# KiCad board Mioke80.kicad_pcb
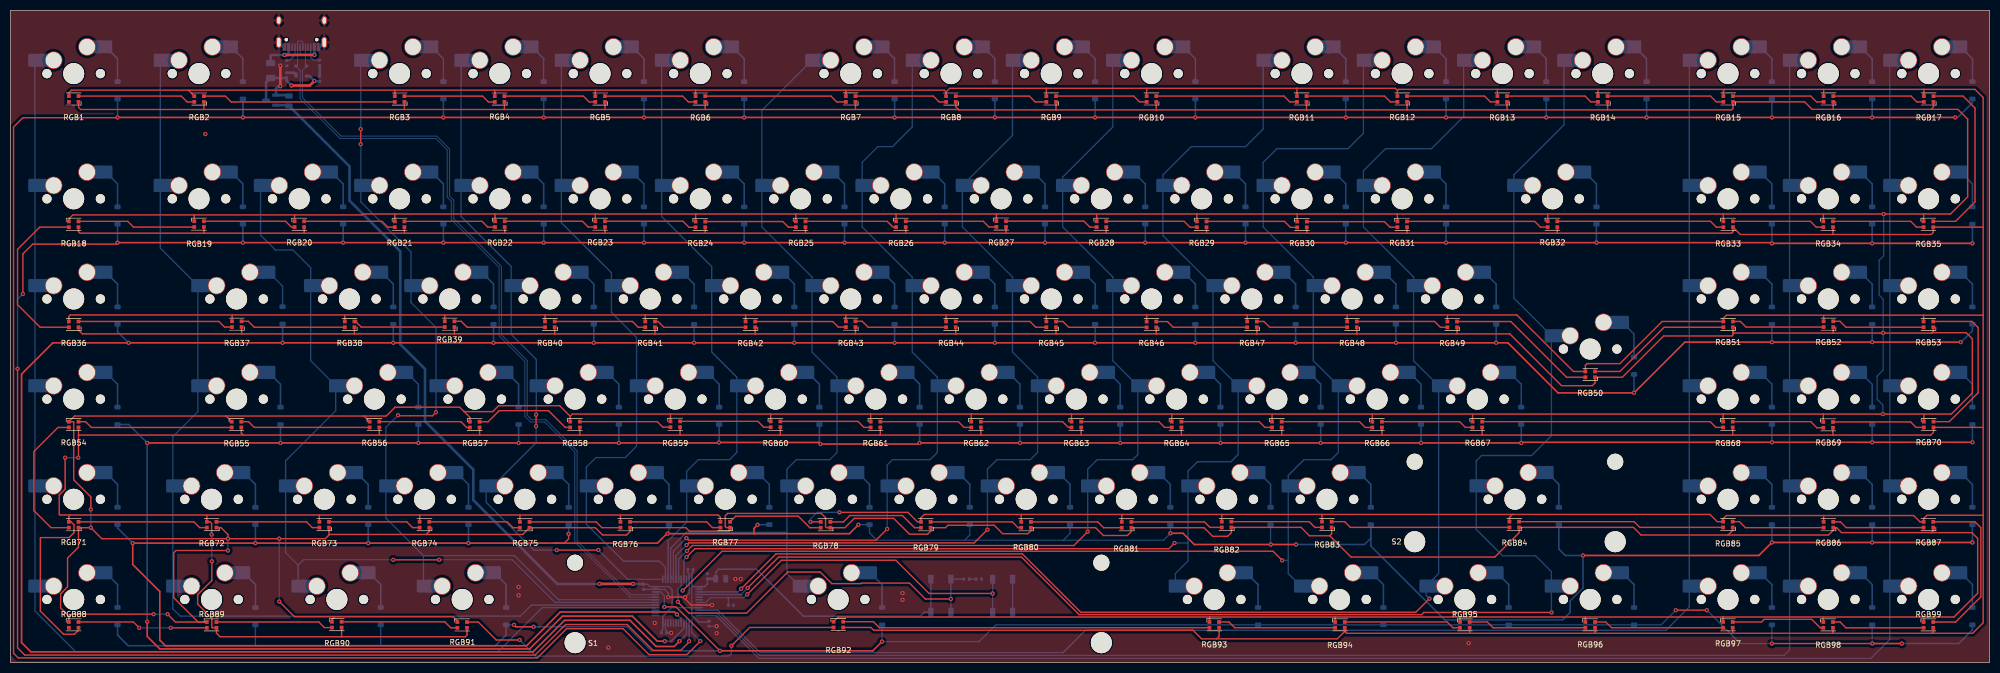
[diagram p0: board, top side]
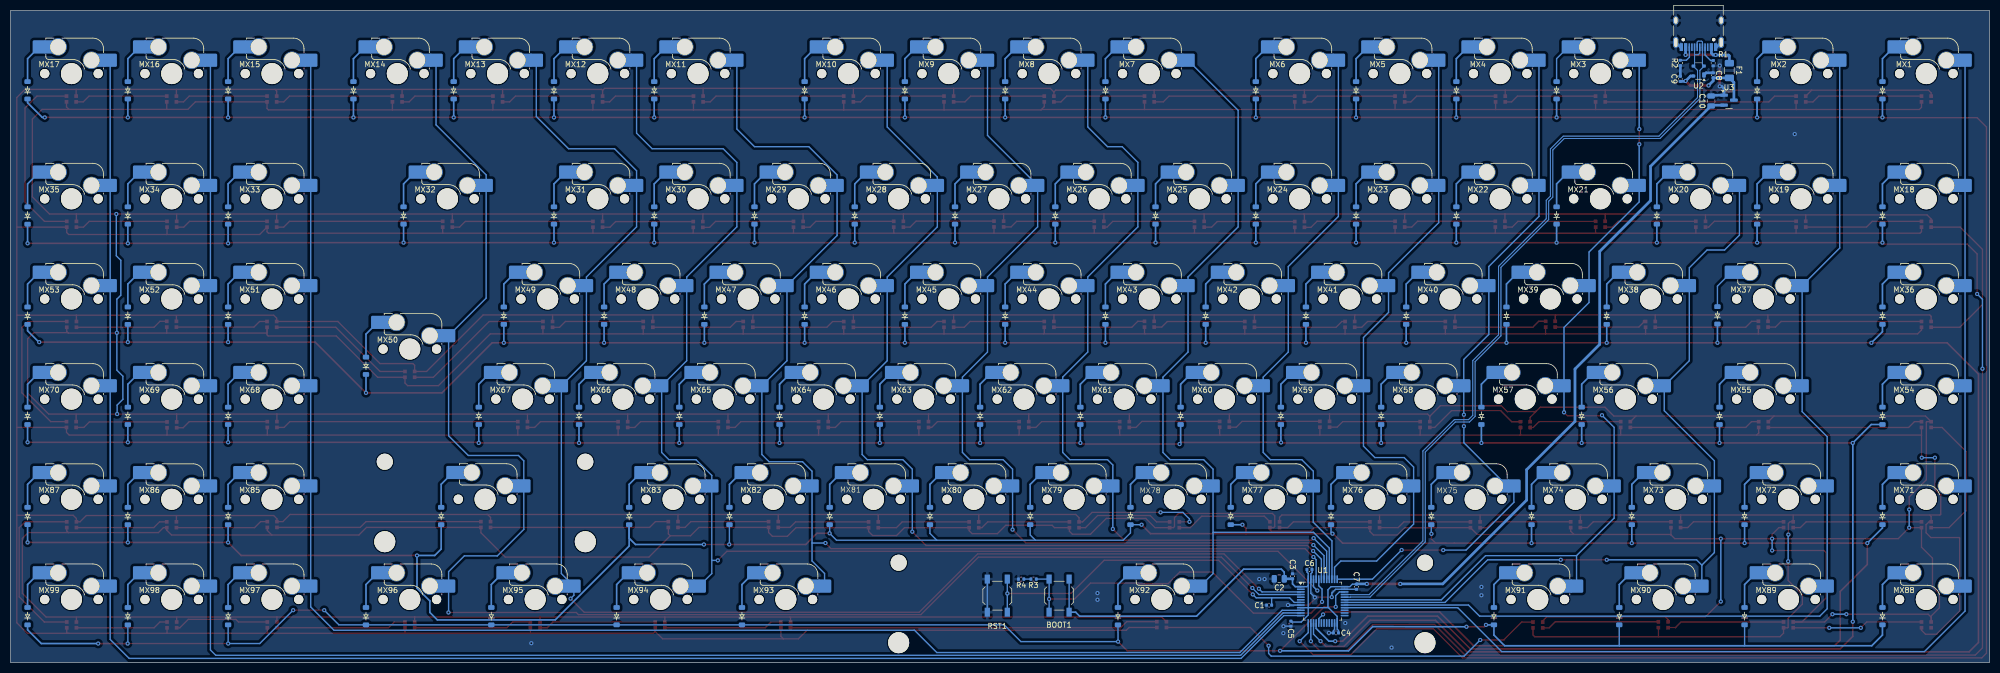
[diagram p1: board, bottom side, seen from below]

Outline 376 x 124 mm; copper layers: Top, Bottom. Coordinates in mm from the lower left corner of the outline.
Outline path: 0,124 0,0 376,0 376,124 0,124
Stack: Top 0.035mm / dielectric 1.11mm FR4 er 4.5 / Bottom 0.035mm

## Placement (name value [footprint] x y rotation side)
BOOT1  SW_SPST  [SW_SPST_TL3342]  176.77 12.71 270 bottom
C1  100nF  [C_0402_1005Metric]  136.87 10.91 0 bottom
C2  47uF  [C_0805_2012Metric]  134.94 15.91 0 bottom
C3  100nF  [C_0402_1005Metric]  132.42 16.39 90 bottom
C4  100nF  [C_0402_1005Metric]  124.17 5.62 0 bottom
C5  100nF  [C_0402_1005Metric]  132.73 7.38 270 bottom
C6  100nF  [C_0402_1005Metric]  129.2 17.69 180 bottom
C7  100nF  [C_0402_1005Metric]  120.28 14.41 270 bottom
C8  100nF  [C_0402_1005Metric]  52.49 111.67 90 bottom
C9  1uF  [C_0402_1005Metric]  58.74 111.01 90 bottom
C10  10uF  [C_0805_2012Metric]  52.89 106.79 90 bottom
D1  4148  [Diode_SOD-123]  20.33 108.83 90 bottom
D2  4148  [Diode_SOD-123]  44.15 108.83 90 bottom
D3  4148  [Diode_SOD-123]  82.25 108.83 90 bottom
D4  4148  [Diode_SOD-123]  101.3 108.83 90 bottom
D5  4148  [Diode_SOD-123]  120.35 108.83 90 bottom
D6  4148  [Diode_SOD-123]  139.4 108.83 90 bottom
D7  4148  [Diode_SOD-123]  167.97 108.83 90 bottom
D8  4148  [Diode_SOD-123]  187.02 108.83 90 bottom
D9  4148  [Diode_SOD-123]  206.07 108.83 90 bottom
D10  4148  [Diode_SOD-123]  225.12 108.83 90 bottom
D11  4148  [Diode_SOD-123]  253.7 108.83 90 bottom
D12  4148  [Diode_SOD-123]  272.75 108.83 90 bottom
D13  4148  [Diode_SOD-123]  291.8 108.83 90 bottom
D14  4148  [Diode_SOD-123]  310.85 108.83 90 bottom
D15  4148  [Diode_SOD-123]  334.66 108.83 90 bottom
D16  4148  [Diode_SOD-123]  353.71 108.83 90 bottom
D17  4148  [Diode_SOD-123]  372.76 108.83 90 bottom
D18  4148  [Diode_SOD-123]  20.33 85.01 90 bottom
D19  4148  [Diode_SOD-123]  44.15 85.01 90 bottom
D20  4148  [Diode_SOD-123]  63.2 85.01 90 bottom
D21  4148  [Diode_SOD-123]  82.25 85.01 90 bottom
D22  4148  [Diode_SOD-123]  101.3 85.01 90 bottom
D23  4148  [Diode_SOD-123]  120.35 85.01 90 bottom
D24  4148  [Diode_SOD-123]  139.4 85.01 90 bottom
D25  4148  [Diode_SOD-123]  158.45 85.01 90 bottom
D26  4148  [Diode_SOD-123]  177.5 85.01 90 bottom
D27  4148  [Diode_SOD-123]  196.55 85.01 90 bottom
D28  4148  [Diode_SOD-123]  215.6 85.01 90 bottom
D29  4148  [Diode_SOD-123]  234.65 85.01 90 bottom
D30  4148  [Diode_SOD-123]  253.7 85.01 90 bottom
D31  4148  [Diode_SOD-123]  272.75 85.01 90 bottom
D32  4148  [Diode_SOD-123]  301.32 85.01 90 bottom
D33  4148  [Diode_SOD-123]  334.66 85.01 90 bottom
D34  4148  [Diode_SOD-123]  353.71 85.01 90 bottom
D35  4148  [Diode_SOD-123]  372.76 85.01 90 bottom
D36  4148  [Diode_SOD-123]  20.33 65.96 90 bottom
D37  4148  [Diode_SOD-123]  51.69 66.03 90 bottom
D38  4148  [Diode_SOD-123]  72.72 65.96 90 bottom
D39  4148  [Diode_SOD-123]  91.77 65.96 90 bottom
D40  4148  [Diode_SOD-123]  110.82 65.96 90 bottom
D41  4148  [Diode_SOD-123]  129.87 65.96 90 bottom
D42  4148  [Diode_SOD-123]  148.92 65.96 90 bottom
D43  4148  [Diode_SOD-123]  167.97 65.96 90 bottom
D44  4148  [Diode_SOD-123]  187.02 65.96 90 bottom
D45  4148  [Diode_SOD-123]  206.07 65.96 90 bottom
D46  4148  [Diode_SOD-123]  225.12 65.96 90 bottom
D47  4148  [Diode_SOD-123]  244.17 65.96 90 bottom
D48  4148  [Diode_SOD-123]  263.22 65.96 90 bottom
D49  4148  [Diode_SOD-123]  282.27 65.96 90 bottom
D50  4148  [Diode_SOD-123]  308.47 56.44 90 bottom
D51  4148  [Diode_SOD-123]  334.66 65.96 90 bottom
D52  4148  [Diode_SOD-123]  353.71 65.96 90 bottom
D53  4148  [Diode_SOD-123]  372.76 65.96 90 bottom
D54  4148  [Diode_SOD-123]  20.33 46.91 90 bottom
D55  4148  [Diode_SOD-123]  51.29 46.91 90 bottom
D56  4148  [Diode_SOD-123]  77.48 46.91 90 bottom
D57  4148  [Diode_SOD-123]  96.53 46.91 90 bottom
D58  4148  [Diode_SOD-123]  115.58 46.91 90 bottom
D59  4148  [Diode_SOD-123]  134.63 46.91 90 bottom
D60  4148  [Diode_SOD-123]  153.68 46.91 90 bottom
D61  4148  [Diode_SOD-123]  172.73 46.91 90 bottom
D62  4148  [Diode_SOD-123]  191.78 46.91 90 bottom
D63  4148  [Diode_SOD-123]  210.83 46.91 90 bottom
D64  4148  [Diode_SOD-123]  229.88 46.91 90 bottom
D65  4148  [Diode_SOD-123]  248.93 46.91 90 bottom
D66  4148  [Diode_SOD-123]  267.98 46.91 90 bottom
D67  4148  [Diode_SOD-123]  287.03 46.91 90 bottom
D68  4148  [Diode_SOD-123]  334.66 46.91 90 bottom
D69  4148  [Diode_SOD-123]  353.71 46.91 90 bottom
D70  4148  [Diode_SOD-123]  372.76 46.91 90 bottom
D71  4148  [Diode_SOD-123]  20.33 27.86 90 bottom
D72  4148  [Diode_SOD-123]  46.53 27.86 90 bottom
D73  4148  [Diode_SOD-123]  67.96 27.86 90 bottom
D74  4148  [Diode_SOD-123]  87.01 27.86 90 bottom
D75  4148  [Diode_SOD-123]  106.06 27.86 90 bottom
D76  4148  [Diode_SOD-123]  125.11 27.86 90 bottom
D77  4148  [Diode_SOD-123]  144.16 27.86 90 bottom
D78  4148  [Diode_SOD-123]  163.21 27.86 90 bottom
D79  4148  [Diode_SOD-123]  182.26 27.86 90 bottom
D80  4148  [Diode_SOD-123]  201.31 27.86 90 bottom
D81  4148  [Diode_SOD-123]  220.36 27.86 90 bottom
D82  4148  [Diode_SOD-123]  239.41 27.86 90 bottom
D83  4148  [Diode_SOD-123]  258.46 27.86 90 bottom
D84  4148  [Diode_SOD-123]  294.18 27.86 90 bottom
D85  4148  [Diode_SOD-123]  334.66 27.86 90 bottom
D86  4148  [Diode_SOD-123]  353.71 27.86 90 bottom
D87  4148  [Diode_SOD-123]  372.76 27.86 90 bottom
D88  4148  [Diode_SOD-123]  20.33 8.81 90 bottom
D89  4148  [Diode_SOD-123]  46.53 8.81 90 bottom
D90  4148  [Diode_SOD-123]  70.34 8.81 90 bottom
D91  4148  [Diode_SOD-123]  94.15 8.81 90 bottom
D92  4148  [Diode_SOD-123]  165.59 8.81 90 bottom
D93  4148  [Diode_SOD-123]  237.03 8.81 90 bottom
D94  4148  [Diode_SOD-123]  260.84 8.81 90 bottom
D95  4148  [Diode_SOD-123]  284.65 8.81 90 bottom
D96  4148  [Diode_SOD-123]  308.47 8.81 90 bottom
D97  4148  [Diode_SOD-123]  334.66 8.81 90 bottom
D98  4148  [Diode_SOD-123]  353.71 8.81 90 bottom
D99  4148  [Diode_SOD-123]  372.76 8.81 90 bottom
F1  500mA  [Fuse_1206_3216Metric]  49.42 112.59 270 bottom
J1  USB_C_Receptacle_USB2.0  [USB_C_Receptacle_HRO_TYPE-C-31-M-12]  55.29 121.07 0 bottom
MX1  MX_SW_HS  [SW_MX_HS_CPG151101S11_1u]  12 112 180 bottom
MX2  MX_SW_HS  [SW_MX_HS_CPG151101S11_1u]  35.81 112 180 bottom
MX3  MX_SW_HS  [SW_MX_HS_CPG151101S11_1u]  73.91 112 180 bottom
MX4  MX_SW_HS  [SW_MX_HS_CPG151101S11_1u]  92.96 112 180 bottom
MX5  MX_SW_HS  [SW_MX_HS_CPG151101S11_1u]  112.01 112 180 bottom
MX6  MX_SW_HS  [SW_MX_HS_CPG151101S11_1u]  131.06 112 180 bottom
MX7  MX_SW_HS  [SW_MX_HS_CPG151101S11_1u]  159.64 112 180 bottom
MX8  MX_SW_HS  [SW_MX_HS_CPG151101S11_1u]  178.69 112 180 bottom
MX9  MX_SW_HS  [SW_MX_HS_CPG151101S11_1u]  197.74 112 180 bottom
MX10  MX_SW_HS  [SW_MX_HS_CPG151101S11_1u]  216.79 112 180 bottom
MX11  MX_SW_HS  [SW_MX_HS_CPG151101S11_1u]  245.36 112 180 bottom
MX12  MX_SW_HS  [SW_MX_HS_CPG151101S11_1u]  264.41 112 180 bottom
MX13  MX_SW_HS  [SW_MX_HS_CPG151101S11_1u]  283.46 112 180 bottom
MX14  MX_SW_HS  [SW_MX_HS_CPG151101S11_1u]  302.51 112 180 bottom
MX15  MX_SW_HS  [SW_MX_HS_CPG151101S11_1u]  326.32 112 180 bottom
MX16  MX_SW_HS  [SW_MX_HS_CPG151101S11_1u]  345.38 112 180 bottom
MX17  MX_SW_HS  [SW_MX_HS_CPG151101S11_1u]  364.42 112 180 bottom
MX18  MX_SW_HS  [SW_MX_HS_CPG151101S11_1u]  12 88.19 180 bottom
MX19  MX_SW_HS  [SW_MX_HS_CPG151101S11_1u]  35.81 88.19 180 bottom
MX20  MX_SW_HS  [SW_MX_HS_CPG151101S11_1u]  54.86 88.19 180 bottom
MX21  MX_SW_HS  [SW_MX_HS_CPG151101S11_1u]  73.91 88.19 180 bottom
MX22  MX_SW_HS  [SW_MX_HS_CPG151101S11_1u]  92.96 88.19 180 bottom
MX23  MX_SW_HS  [SW_MX_HS_CPG151101S11_1u]  112.01 88.19 180 bottom
MX24  MX_SW_HS  [SW_MX_HS_CPG151101S11_1u]  131.06 88.19 180 bottom
MX25  MX_SW_HS  [SW_MX_HS_CPG151101S11_1u]  150.11 88.19 180 bottom
MX26  MX_SW_HS  [SW_MX_HS_CPG151101S11_1u]  169.16 88.19 180 bottom
MX27  MX_SW_HS  [SW_MX_HS_CPG151101S11_1u]  188.21 88.19 180 bottom
MX28  MX_SW_HS  [SW_MX_HS_CPG151101S11_1u]  207.26 88.19 180 bottom
MX29  MX_SW_HS  [SW_MX_HS_CPG151101S11_1u]  226.31 88.19 180 bottom
MX30  MX_SW_HS  [SW_MX_HS_CPG151101S11_1u]  245.36 88.19 180 bottom
MX31  MX_SW_HS  [SW_MX_HS_CPG151101S11_1u]  264.41 88.19 180 bottom
MX32  MX_SW_HS  [SW_MX_HS_CPG151101S11_1u]  292.99 88.19 180 bottom
MX33  MX_SW_HS  [SW_MX_HS_CPG151101S11_1u]  326.32 88.19 180 bottom
MX34  MX_SW_HS  [SW_MX_HS_CPG151101S11_1u]  345.38 88.19 180 bottom
MX35  MX_SW_HS  [SW_MX_HS_CPG151101S11_1u]  364.42 88.19 180 bottom
MX36  MX_SW_HS  [SW_MX_HS_CPG151101S11_1u]  12 69.14 180 bottom
MX37  MX_SW_HS  [SW_MX_HS_CPG151101S11_1.75u]  42.96 69.14 180 bottom
MX38  MX_SW_HS  [SW_MX_HS_CPG151101S11_1u]  64.39 69.14 180 bottom
MX39  MX_SW_HS  [SW_MX_HS_CPG151101S11_1u]  83.44 69.14 180 bottom
MX40  MX_SW_HS  [SW_MX_HS_CPG151101S11_1u]  102.49 69.14 180 bottom
MX41  MX_SW_HS  [SW_MX_HS_CPG151101S11_1u]  121.54 69.14 180 bottom
MX42  MX_SW_HS  [SW_MX_HS_CPG151101S11_1u]  140.59 69.14 180 bottom
MX43  MX_SW_HS  [SW_MX_HS_CPG151101S11_1u]  159.64 69.14 180 bottom
MX44  MX_SW_HS  [SW_MX_HS_CPG151101S11_1u]  178.69 69.14 180 bottom
MX45  MX_SW_HS  [SW_MX_HS_CPG151101S11_1u]  197.74 69.14 180 bottom
MX46  MX_SW_HS  [SW_MX_HS_CPG151101S11_1u]  216.79 69.14 180 bottom
MX47  MX_SW_HS  [SW_MX_HS_CPG151101S11_1u]  235.84 69.14 180 bottom
MX48  MX_SW_HS  [SW_MX_HS_CPG151101S11_1u]  254.89 69.14 180 bottom
MX49  MX_SW_HS  [SW_MX_HS_CPG151101S11_1u]  273.94 69.14 180 bottom
MX50  MX_SW_HS  [SW_MX_HS_CPG151101S11_1u]  300.13 59.61 180 bottom
MX51  MX_SW_HS  [SW_MX_HS_CPG151101S11_1u]  326.32 69.14 180 bottom
MX52  MX_SW_HS  [SW_MX_HS_CPG151101S11_1u]  345.38 69.14 180 bottom
MX53  MX_SW_HS  [SW_MX_HS_CPG151101S11_1u]  364.42 69.14 180 bottom
MX54  MX_SW_HS  [SW_MX_HS_CPG151101S11_1u]  12 50.09 180 bottom
MX55  MX_SW_HS  [SW_MX_HS_CPG151101S11_1.75u]  42.96 50.09 180 bottom
MX56  MX_SW_HS  [SW_MX_HS_CPG151101S11_1u]  69.15 50.09 180 bottom
MX57  MX_SW_HS  [SW_MX_HS_CPG151101S11_1u]  88.2 50.09 180 bottom
MX58  MX_SW_HS  [SW_MX_HS_CPG151101S11_1u]  107.25 50.09 180 bottom
MX59  MX_SW_HS  [SW_MX_HS_CPG151101S11_1u]  126.3 50.09 180 bottom
MX60  MX_SW_HS  [SW_MX_HS_CPG151101S11_1u]  145.35 50.09 180 bottom
MX61  MX_SW_HS  [SW_MX_HS_CPG151101S11_1u]  164.4 50.09 180 bottom
MX62  MX_SW_HS  [SW_MX_HS_CPG151101S11_1u]  183.45 50.09 180 bottom
MX63  MX_SW_HS  [SW_MX_HS_CPG151101S11_1u]  202.5 50.09 180 bottom
MX64  MX_SW_HS  [SW_MX_HS_CPG151101S11_1.75u]  221.55 50.09 180 bottom
MX65  MX_SW_HS  [SW_MX_HS_CPG151101S11_1u]  240.6 50.09 180 bottom
MX66  MX_SW_HS  [SW_MX_HS_CPG151101S11_1u]  259.65 50.09 180 bottom
MX67  MX_SW_HS  [SW_MX_HS_CPG151101S11_1u]  278.7 50.09 180 bottom
MX68  MX_SW_HS  [SW_MX_HS_CPG151101S11_1u]  326.32 50.09 180 bottom
MX69  MX_SW_HS  [SW_MX_HS_CPG151101S11_1u]  345.38 50.09 180 bottom
MX70  MX_SW_HS  [SW_MX_HS_CPG151101S11_1u]  364.42 50.09 180 bottom
MX71  MX_SW_HS  [SW_MX_HS_CPG151101S11_1u]  12 31.04 180 bottom
MX72  MX_SW_HS  [SW_MX_HS_CPG151101S11_1.25u]  38.19 31.04 180 bottom
MX73  MX_SW_HS  [SW_MX_HS_CPG151101S11_1u]  59.62 31.04 180 bottom
MX74  MX_SW_HS  [SW_MX_HS_CPG151101S11_1u]  78.67 31.04 180 bottom
MX75  MX_SW_HS  [SW_MX_HS_1U]  97.72 31.04 180 bottom
MX76  MX_SW_HS  [SW_MX_HS_CPG151101S11_1u]  116.77 31.04 180 bottom
MX77  MX_SW_HS  [SW_MX_HS_CPG151101S11_1u]  135.83 31.04 180 bottom
MX78  MX_SW_HS  [SW_MX_HS_1U]  154.88 31.04 180 bottom
MX79  MX_SW_HS  [SW_MX_HS_CPG151101S11_1u]  173.93 31.04 180 bottom
MX80  MX_SW_HS  [SW_MX_HS_CPG151101S11_1u]  192.98 31.04 180 bottom
MX81  MX_SW_HS  [SW_MX_HS_1U]  212.03 31.04 180 bottom
MX82  MX_SW_HS  [SW_MX_HS_CPG151101S11_1u]  231.08 31.04 180 bottom
MX83  MX_SW_HS  [SW_MX_HS_CPG151101S11_1u]  250.13 31.04 180 bottom
MX84  MX_SW_HS  [SW_MX_HS_2.75U]  285.84 31.04 180 bottom
MX85  MX_SW_HS  [SW_MX_HS_CPG151101S11_1u]  326.32 31.04 180 bottom
MX86  MX_SW_HS  [SW_MX_HS_CPG151101S11_1u]  345.38 31.04 180 bottom
MX87  MX_SW_HS  [SW_MX_HS_CPG151101S11_1u]  364.42 31.04 180 bottom
MX88  MX_SW_HS  [SW_MX_HS_CPG151101S11_1u]  12 11.99 180 bottom
MX89  MX_SW_HS  [SW_MX_HS_CPG151101S11_1.25u]  38.19 11.99 180 bottom
MX90  MX_SW_HS  [SW_MX_HS_CPG151101S11_1.25u]  62.01 11.99 180 bottom
MX91  MX_SW_HS  [SW_MX_HS_CPG151101S11_1.25u]  85.82 11.99 180 bottom
MX92  MX_SW_HS  [SW_MX_HS_CPG151101S11_1u]  157.26 11.99 180 bottom
MX93  MX_SW_HS  [SW_MX_HS_CPG151101S11_1.25u]  228.69 11.99 180 bottom
MX94  MX_SW_HS  [SW_MX_HS_CPG151101S11_1.25u]  252.51 11.99 180 bottom
MX95  MX_SW_HS  [SW_MX_HS_CPG151101S11_1.25u]  276.32 11.99 180 bottom
MX96  MX_SW_HS  [SW_MX_HS_CPG151101S11_1.25u]  300.13 11.99 180 bottom
MX97  MX_SW_HS  [SW_MX_HS_CPG151101S11_1u]  326.32 11.99 180 bottom
MX98  MX_SW_HS  [SW_MX_HS_CPG151101S11_1u]  345.38 11.99 180 bottom
MX99  MX_SW_HS  [SW_MX_HS_CPG151101S11_1u]  364.42 11.99 180 bottom
R1  5.1k  [R_0402_1005Metric]  52.49 113.98 90 bottom
R2  5.1k  [R_0402_1005Metric]  58.74 114.03 270 bottom
R3  5.1k  [R_0402_1005Metric]  181.62 15.86 0 bottom
R4  5.1k  [R_0402_1005Metric]  183.98 15.86 0 bottom
RGB1  WS2812B  [LED_WS2812B-2020_PLCC4_2.0x2.0mm]  12 107.17 180 top
RGB2  WS2812B  [LED_WS2812B-2020_PLCC4_2.0x2.0mm]  35.83 107.17 180 top
RGB3  WS2812B  [LED_WS2812B-2020_PLCC4_2.0x2.0mm]  73.92 107.17 180 top
RGB4  WS2812B  [LED_WS2812B-2020_PLCC4_2.0x2.0mm]  92.92 107.17 180 top
RGB5  WS2812B  [LED_WS2812B-2020_PLCC4_2.0x2.0mm]  112.03 107.17 180 top
RGB6  WS2812B  [LED_WS2812B-2020_PLCC4_2.0x2.0mm]  131.08 107.17 180 top
RGB7  WS2812B  [LED_WS2812B-2020_PLCC4_2.0x2.0mm]  159.63 107.17 180 top
RGB8  WS2812B  [LED_WS2812B-2020_PLCC4_2.0x2.0mm]  178.67 107.17 180 top
RGB9  WS2812B  [LED_WS2812B-2020_PLCC4_2.0x2.0mm]  197.73 107.17 180 top
RGB10  WS2812B  [LED_WS2812B-2020_PLCC4_2.0x2.0mm]  216.77 107.17 180 top
RGB11  WS2812B  [LED_WS2812B-2020_PLCC4_2.0x2.0mm]  245.32 107.17 180 top
RGB12  WS2812B  [LED_WS2812B-2020_PLCC4_2.0x2.0mm]  264.43 107.17 180 top
RGB13  WS2812B  [LED_WS2812B-2020_PLCC4_2.0x2.0mm]  283.42 107.17 180 top
RGB14  WS2812B  [LED_WS2812B-2020_PLCC4_2.0x2.0mm]  302.53 107.17 180 top
RGB15  WS2812B  [LED_WS2812B-2020_PLCC4_2.0x2.0mm]  326.35 107.17 180 top
RGB16  WS2812B  [LED_WS2812B-2020_PLCC4_2.0x2.0mm]  345.4 107.17 180 top
RGB17  WS2812B  [LED_WS2812B-2020_PLCC4_2.0x2.0mm]  364.45 107.17 180 top
RGB18  WS2812B  [LED_WS2812B-2020_PLCC4_2.0x2.0mm]  12 83.35 0 top
RGB19  WS2812B  [LED_WS2812B-2020_PLCC4_2.0x2.0mm]  35.83 83.37 0 top
RGB20  WS2812B  [LED_WS2812B-2020_PLCC4_2.0x2.0mm]  54.88 83.36 0 top
RGB21  WS2812B  [LED_WS2812B-2020_PLCC4_2.0x2.0mm]  73.93 83.35 0 top
RGB22  WS2812B  [LED_WS2812B-2020_PLCC4_2.0x2.0mm]  92.98 83.37 0 top
RGB23  WS2812B  [LED_WS2812B-2020_PLCC4_2.0x2.0mm]  112.03 83.37 0 top
RGB24  WS2812B  [LED_WS2812B-2020_PLCC4_2.0x2.0mm]  131.08 83.32 0 top
RGB25  WS2812B  [LED_WS2812B-2020_PLCC4_2.0x2.0mm]  150.13 83.35 0 top
RGB26  WS2812B  [LED_WS2812B-2020_PLCC4_2.0x2.0mm]  169.17 83.36 0 top
RGB27  WS2812B  [LED_WS2812B-2020_PLCC4_2.0x2.0mm]  188.23 83.39 0 top
RGB28  WS2812B  [LED_WS2812B-2020_PLCC4_2.0x2.0mm]  207.27 83.36 0 top
RGB29  WS2812B  [LED_WS2812B-2020_PLCC4_2.0x2.0mm]  226.32 83.34 0 top
RGB30  WS2812B  [LED_WS2812B-2020_PLCC4_2.0x2.0mm]  245.37 83.31 0 top
RGB31  WS2812B  [LED_WS2812B-2020_PLCC4_2.0x2.0mm]  264.42 83.34 0 top
RGB32  WS2812B  [LED_WS2812B-2020_PLCC4_2.0x2.0mm]  292.97 83.36 0 top
RGB33  WS2812B  [LED_WS2812B-2020_PLCC4_2.0x2.0mm]  326.35 83.35 0 top
RGB34  WS2812B  [LED_WS2812B-2020_PLCC4_2.0x2.0mm]  345.35 83.35 0 top
RGB35  WS2812B  [LED_WS2812B-2020_PLCC4_2.0x2.0mm]  364.4 83.35 0 top
RGB36  WS2812B  [LED_WS2812B-2020_PLCC4_2.0x2.0mm]  12 64.31 180 top
RGB37  WS2812B  [LED_WS2812B-2020_PLCC4_2.0x2.0mm]  42.99 64.34 180 top
RGB38  WS2812B  [LED_WS2812B-2020_PLCC4_2.0x2.0mm]  64.42 64.31 180 top
RGB39  WS2812B  [LED_WS2812B-2020_PLCC4_2.0x2.0mm]  83.42 64.34 180 top
RGB40  WS2812B  [LED_WS2812B-2020_PLCC4_2.0x2.0mm]  102.47 64.31 180 top
RGB41  WS2812B  [LED_WS2812B-2020_PLCC4_2.0x2.0mm]  121.52 64.31 180 top
RGB42  WS2812B  [LED_WS2812B-2020_PLCC4_2.0x2.0mm]  140.57 64.3 180 top
RGB43  WS2812B  [LED_WS2812B-2020_PLCC4_2.0x2.0mm]  159.62 64.34 180 top
RGB44  WS2812B  [LED_WS2812B-2020_PLCC4_2.0x2.0mm]  178.67 64.31 180 top
RGB45  WS2812B  [LED_WS2812B-2020_PLCC4_2.0x2.0mm]  197.73 64.31 180 top
RGB46  WS2812B  [LED_WS2812B-2020_PLCC4_2.0x2.0mm]  216.77 64.29 180 top
RGB47  WS2812B  [LED_WS2812B-2020_PLCC4_2.0x2.0mm]  235.88 64.31 180 top
RGB48  WS2812B  [LED_WS2812B-2020_PLCC4_2.0x2.0mm]  254.87 64.31 180 top
RGB49  WS2812B  [LED_WS2812B-2020_PLCC4_2.0x2.0mm]  273.92 64.3 180 top
RGB50  WS2812B  [LED_WS2812B-2020_PLCC4_2.0x2.0mm]  300.14 54.8 180 top
RGB51  WS2812B  [LED_WS2812B-2020_PLCC4_2.0x2.0mm]  326.35 64.31 180 top
RGB52  WS2812B  [LED_WS2812B-2020_PLCC4_2.0x2.0mm]  345.4 64.34 180 top
RGB53  WS2812B  [LED_WS2812B-2020_PLCC4_2.0x2.0mm]  364.4 64.31 180 top
RGB54  WS2812B  [LED_WS2812B-2020_PLCC4_2.0x2.0mm]  12 45.25 0 top
RGB55  WS2812B  [LED_WS2812B-2020_PLCC4_2.0x2.0mm]  42.94 45.25 0 top
RGB56  WS2812B  [LED_WS2812B-2020_PLCC4_2.0x2.0mm]  69.15 45.26 0 top
RGB57  WS2812B  [LED_WS2812B-2020_PLCC4_2.0x2.0mm]  88.2 45.24 0 top
RGB58  WS2812B  [LED_WS2812B-2020_PLCC4_2.0x2.0mm]  107.25 45.26 0 top
RGB59  WS2812B  [LED_WS2812B-2020_PLCC4_2.0x2.0mm]  126.3 45.31 0 top
RGB60  WS2812B  [LED_WS2812B-2020_PLCC4_2.0x2.0mm]  145.35 45.3 0 top
RGB61  WS2812B  [LED_WS2812B-2020_PLCC4_2.0x2.0mm]  164.35 45.26 0 top
RGB62  WS2812B  [LED_WS2812B-2020_PLCC4_2.0x2.0mm]  183.45 45.26 0 top
RGB63  WS2812B  [LED_WS2812B-2020_PLCC4_2.0x2.0mm]  202.5 45.26 0 top
RGB64  WS2812B  [LED_WS2812B-2020_PLCC4_2.0x2.0mm]  221.55 45.26 0 top
RGB65  WS2812B  [LED_WS2812B-2020_PLCC4_2.0x2.0mm]  240.6 45.26 0 top
RGB66  WS2812B  [LED_WS2812B-2020_PLCC4_2.0x2.0mm]  259.65 45.25 0 top
RGB67  WS2812B  [LED_WS2812B-2020_PLCC4_2.0x2.0mm]  278.7 45.26 0 top
RGB68  WS2812B  [LED_WS2812B-2020_PLCC4_2.0x2.0mm]  326.3 45.26 0 top
RGB69  WS2812B  [LED_WS2812B-2020_PLCC4_2.0x2.0mm]  345.35 45.2 0 top
RGB70  WS2812B  [LED_WS2812B-2020_PLCC4_2.0x2.0mm]  364.45 45.26 0 top
RGB71  WS2812B  [LED_WS2812B-2020_PLCC4_2.0x2.0mm]  12 26.2 180 top
RGB72  WS2812B  [LED_WS2812B-2020_PLCC4_2.0x2.0mm]  38.21 26.21 180 top
RGB73  WS2812B  [LED_WS2812B-2020_PLCC4_2.0x2.0mm]  59.6 26.21 180 top
RGB74  WS2812B  [LED_WS2812B-2020_PLCC4_2.0x2.0mm]  78.65 26.21 180 top
RGB75  WS2812B  [LED_WS2812B-2020_PLCC4_2.0x2.0mm]  97.7 26.19 180 top
RGB76  WS2812B  [LED_WS2812B-2020_PLCC4_2.0x2.0mm]  116.8 26.2 180 top
RGB77  WS2812B  [LED_WS2812B-2020_PLCC4_2.0x2.0mm]  135.8 26.21 180 top
RGB78  WS2812B  [LED_WS2812B-2020_PLCC4_2.0x2.0mm]  154.85 26.19 180 top
RGB79  WS2812B  [LED_WS2812B-2020_PLCC4_2.0x2.0mm]  173.9 26.19 180 top
RGB80  WS2812B  [LED_WS2812B-2020_PLCC4_2.0x2.0mm]  192.95 26.19 180 top
RGB81  WS2812B  [LED_WS2812B-2020_PLCC4_2.0x2.0mm]  212.05 26.19 180 top
RGB82  WS2812B  [LED_WS2812B-2020_PLCC4_2.0x2.0mm]  231.05 26.24 180 top
RGB83  WS2812B  [LED_WS2812B-2020_PLCC4_2.0x2.0mm]  250.1 26.24 180 top
RGB84  WS2812B  [LED_WS2812B-2020_PLCC4_2.0x2.0mm]  285.71 26.24 180 top
RGB85  WS2812B  [LED_WS2812B-2020_PLCC4_2.0x2.0mm]  326.3 26.24 180 top
RGB86  WS2812B  [LED_WS2812B-2020_PLCC4_2.0x2.0mm]  345.4 26.2 180 top
RGB87  WS2812B  [LED_WS2812B-2020_PLCC4_2.0x2.0mm]  364.4 26.21 180 top
RGB88  WS2812B  [LED_WS2812B-2020_PLCC4_2.0x2.0mm]  12 7.16 0 top
RGB89  WS2812B  [LED_WS2812B-2020_PLCC4_2.0x2.0mm]  38.21 7.15 0 top
RGB90  WS2812B  [LED_WS2812B-2020_PLCC4_2.0x2.0mm]  61.99 7.19 0 top
RGB91  WS2812B  [LED_WS2812B-2020_PLCC4_2.0x2.0mm]  85.81 7.14 0 top
RGB92  WS2812B  [LED_WS2812B-2020_PLCC4_2.0x2.0mm]  157.29 7.21 0 top
RGB93  WS2812B  [LED_WS2812B-2020_PLCC4_2.0x2.0mm]  228.71 7.16 0 top
RGB94  WS2812B  [LED_WS2812B-2020_PLCC4_2.0x2.0mm]  252.59 7.16 0 top
RGB95  WS2812B  [LED_WS2812B-2020_PLCC4_2.0x2.0mm]  276.31 7.16 0 top
RGB96  WS2812B  [LED_WS2812B-2020_PLCC4_2.0x2.0mm]  300.14 7.16 0 top
RGB97  WS2812B  [LED_WS2812B-2020_PLCC4_2.0x2.0mm]  326.3 7.16 0 top
RGB98  WS2812B  [LED_WS2812B-2020_PLCC4_2.0x2.0mm]  345.35 7.15 0 top
RGB99  WS2812B  [LED_WS2812B-2020_PLCC4_2.0x2.0mm]  364.4 7.15 0 top
RST1  SW_SPST  [SW_SPST_TL3342]  188.51 12.71 270 bottom
S1  MX_stab  [Stabilizer_MX_6.25u]  157.26 11.99 0 top
S2  MX_stab  [Stabilizer_MX_3.00u]  285.84 31.2 0 top
U1  STM32F072CBT6  [LQFP-48_7x7mm_P0.5mm]  126.68 11.67 180 bottom
U2  PRTR5V0U2X  [SOT-143]  55.25 112.49 0 bottom
U3  XC6206PxxxMR-Regulator_Linear  [SOT-23]  49.5 106.95 180 bottom

## Library data of the parts
C1-C10 = -: LCSC: C307331; ki_fp_filters: C_*
D1-D99 = -: Description: Diode, small symbol; Sim.Device: D; Sim.Pins: 1=K 2=A; ki_fp_filters: TO-???* *_Diode_* *SingleDiode* D_*
F1 = -: LCSC: C135341; ki_fp_filters: *polyfuse* *PTC*
J1 = -: Datasheet: https://www.usb.org/sites/default/files/documents/usb_type-c.zip; JlcRotOffset: 180; JlcPosOffset: 0,1.5; ki_fp_filters: USB*C*Receptacle*
MX1-MX99 = -: Description: Push button switch, normally open, two pins, 45° tilted, Kailh CPG151101S11 for Cherry MX style switches
R1-R4 = -: ki_fp_filters: R_*
RGB1-RGB99 = -: Datasheet: https://cdn-shop.adafruit.com/datasheets/WS2812B.pdf; Description: RGB LED with integrated controller; ki_fp_filters: LED*WS2812*PLCC*5.0x5.0mm*P3.2mm*
S1 S2 = -: Description: Cherry MX-style stabilizer
U1 = -: Datasheet: https://www.st.com/resource/en/datasheet/stm32f072cb.pdf; JlcRotOffset: 90; ki_fp_filters: LQFP*7x7mm*P0.5mm*
U2 = -: Datasheet: https://assets.nexperia.com/documents/data-sheet/PRTR5V0U2X.pdf; LCSC: C2827688; JlcRotOffset: 90; ki_fp_filters: SOT?143*
U3 = -: Datasheet: https://www.torexsemi.com/file/xc6206/XC6206.pdf; LCSC: C5446; ki_fp_filters: SOT?23*
